# Altium PCB PDB.PcbDoc
Units mm, origin at the board's own origin, x right, y up, seen from the top; angles counter-clockwise.
Board outline 172.97 x 165.43 mm, 2 copper layers (Top Layer, Bottom Layer), stack 1.569 mm thick; 14 components, 6 nets, 35 pads, 180 vias.
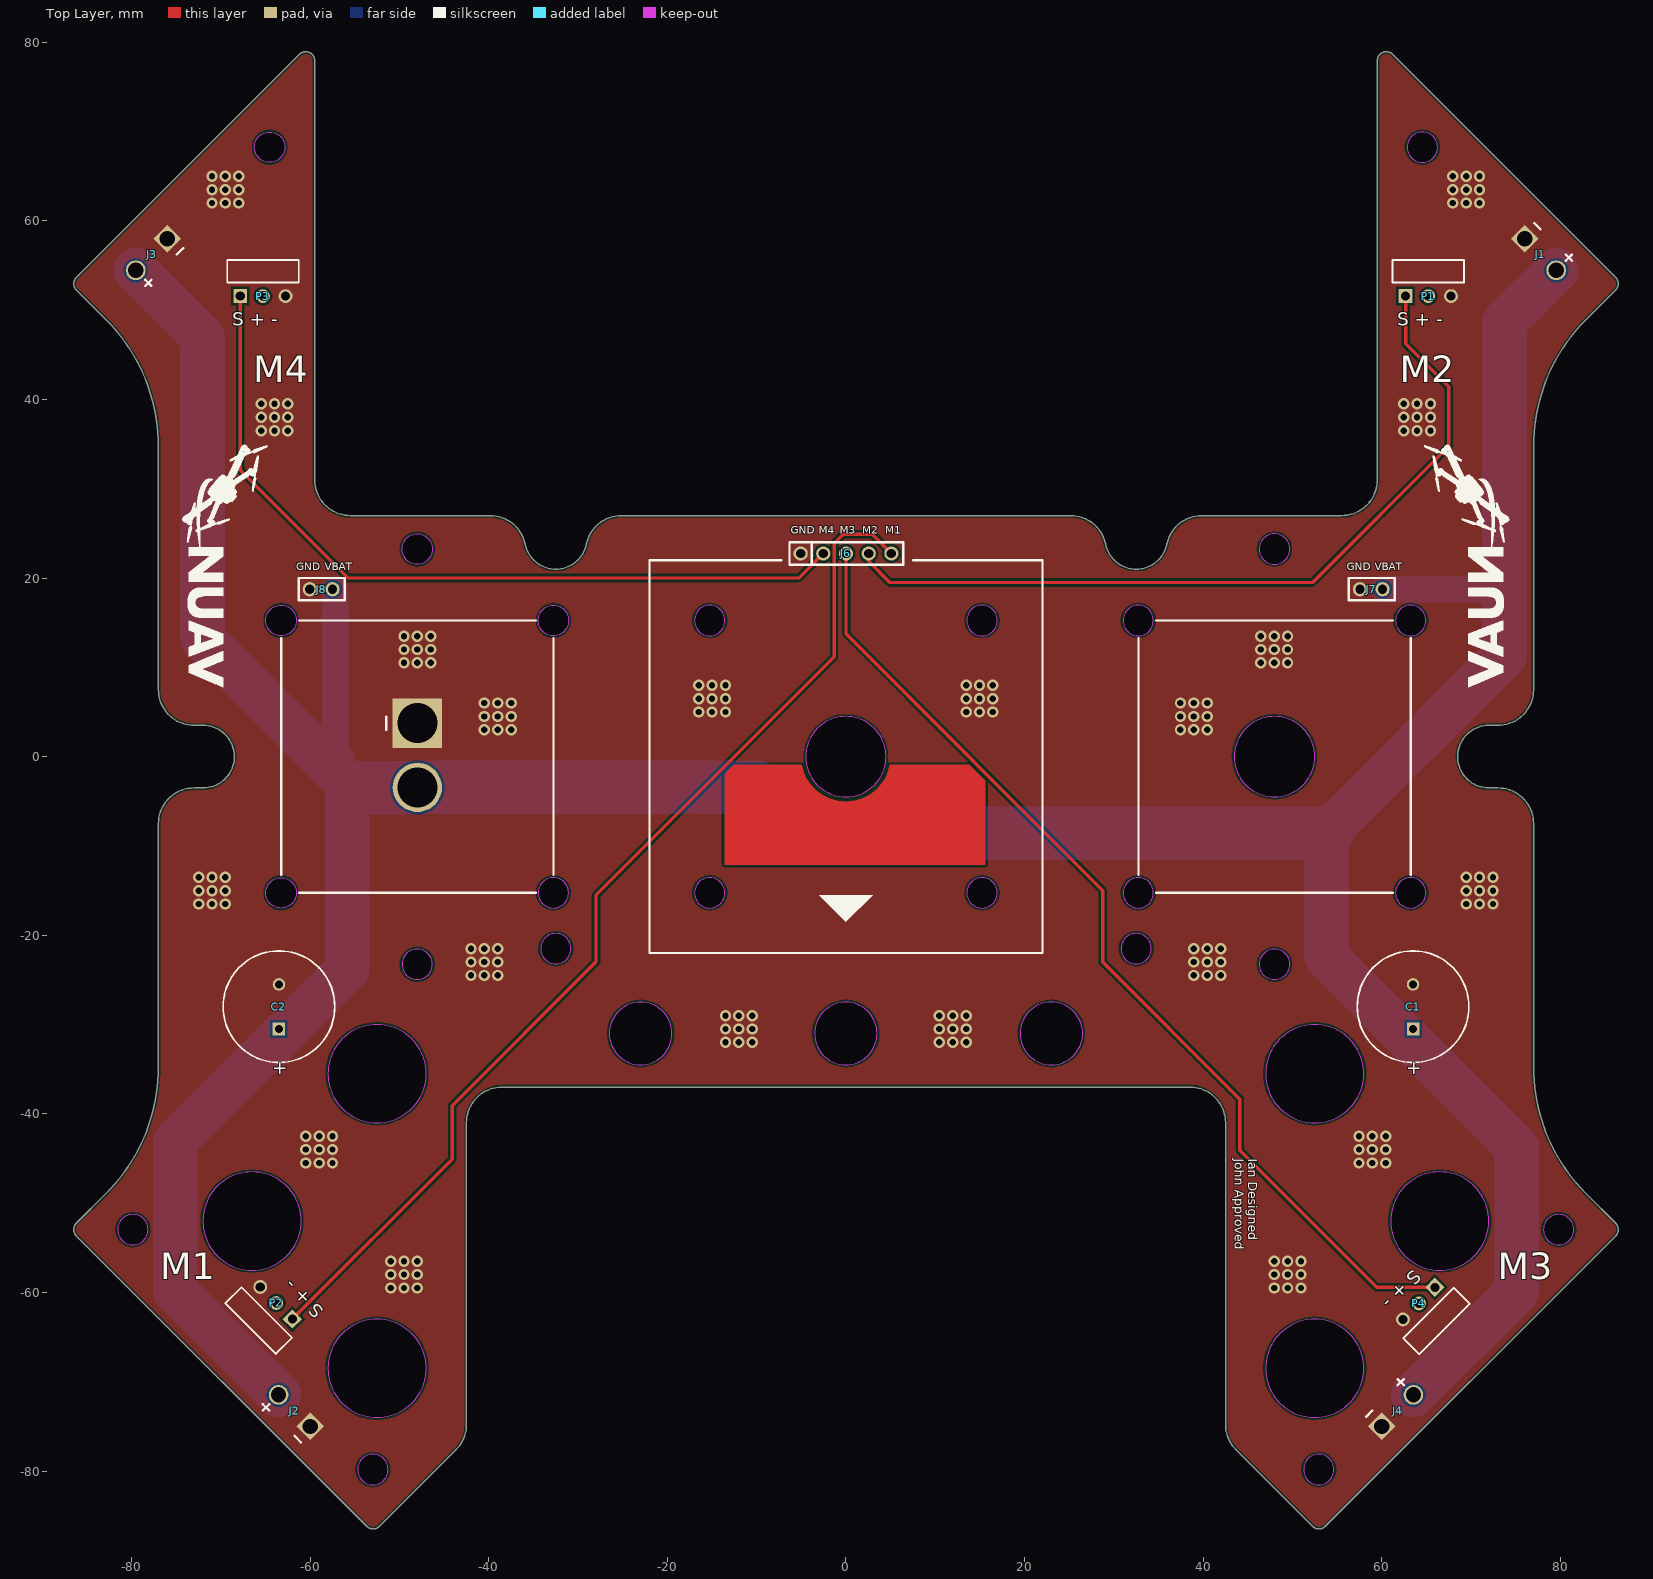
[diagram p0: Top Layer view]
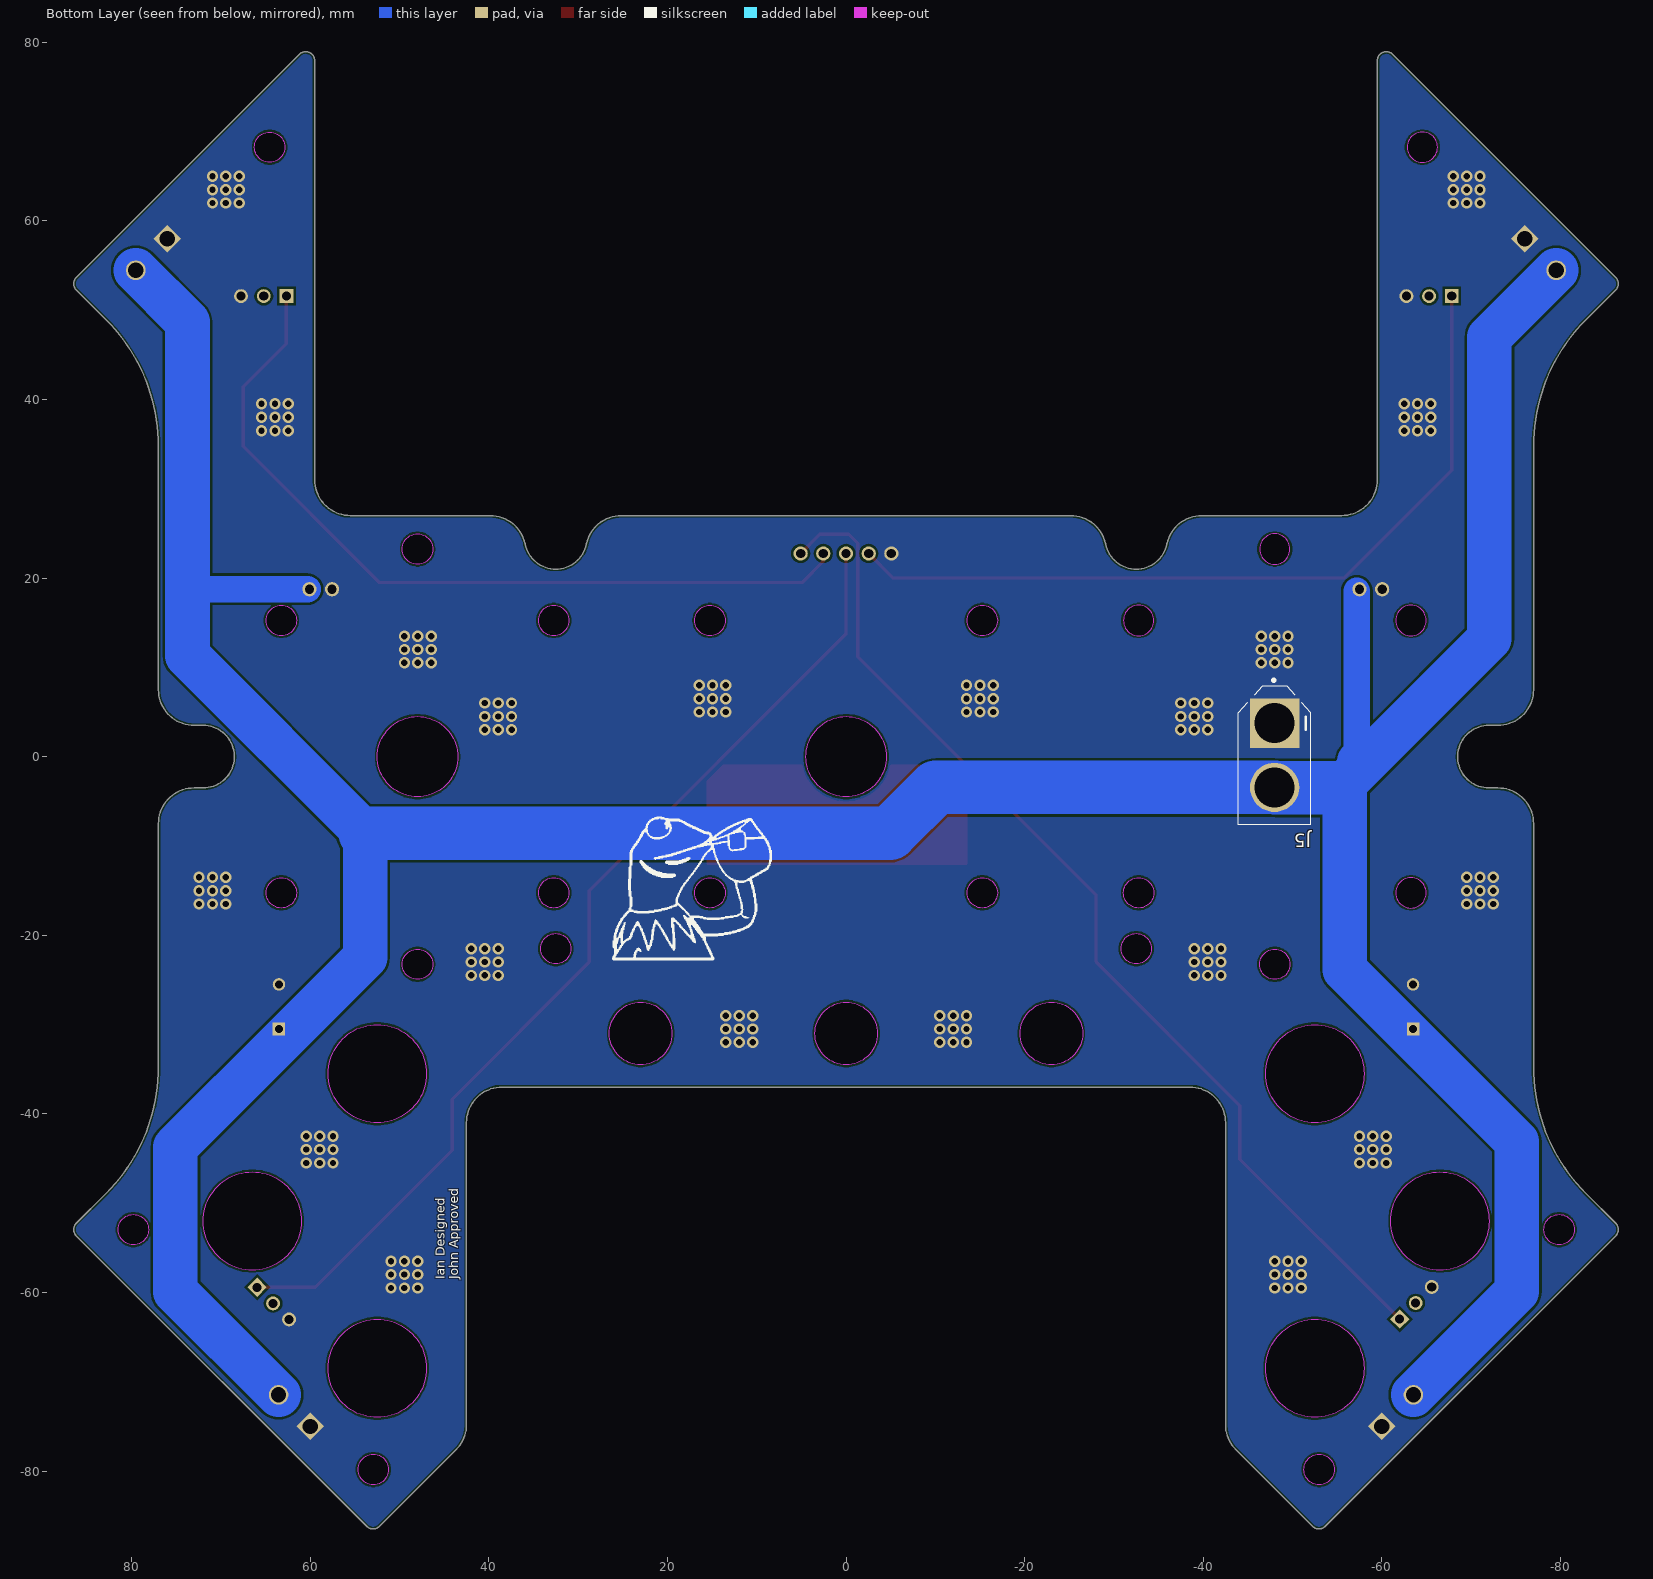
[diagram p1: Bottom Layer view, seen from below]
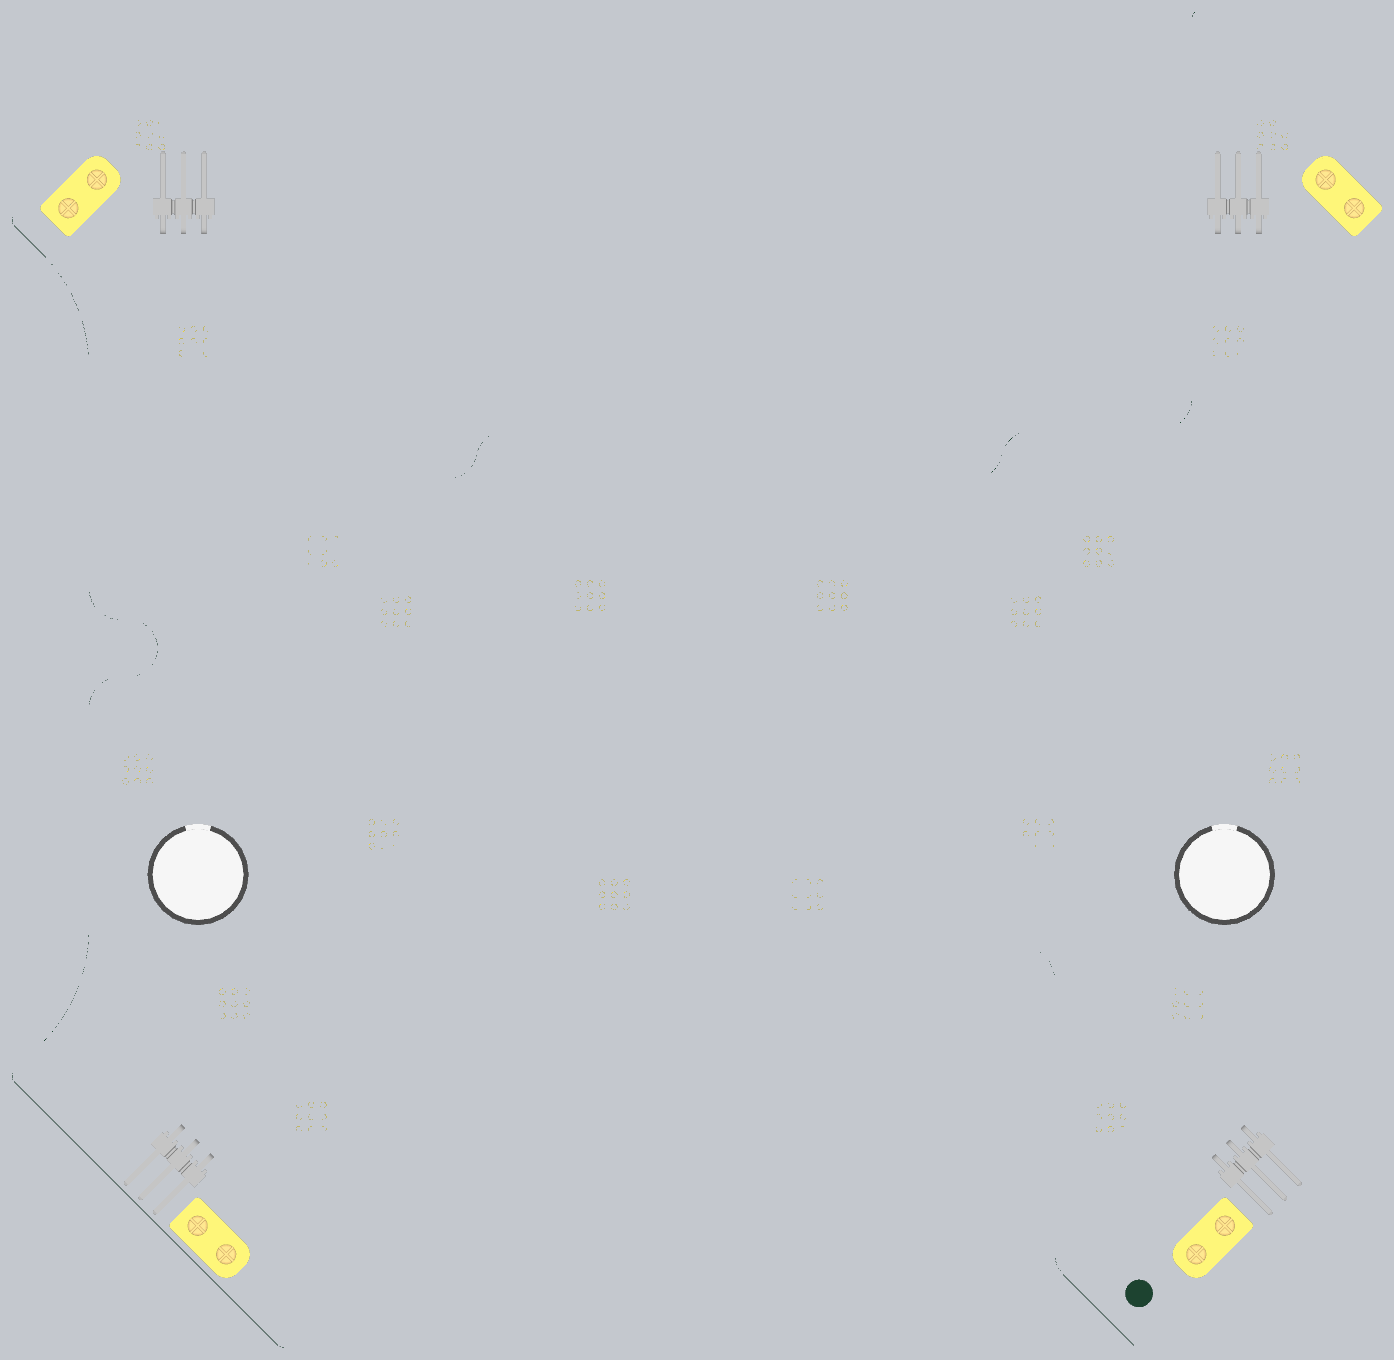
[diagram p2: 3D render of the assembled board from above, using the file's embedded part models]

## Layer stack, top to bottom
Top Solder: solder mask 0.0254, SM-001, Dk 4
Top Layer: signal copper 0.035
Dielectric 1: core 1.4986, Core-043, Dk 4.3
Bottom Layer: signal copper 0.035
Bottom Solder: solder mask 0.0254, SM-001, Dk 4

## Board outline
-86.192,-53.665 cw(c-85.485,-52.958) -86.192,-52.251 -82.858,-48.917 ccw(c-97,-34.775) -77,-34.775 -77,-7.5 cw(c-73,-7.5) -73,-3.5 -72,-3.5 ccw(c-72,0) -72,3.5 -73,3.5 cw(c-73,7.5) -77,7.5 -77,34.775 ccw(c-97,34.775) -82.858,48.917 -86.192,52.251 cw(c-85.485,52.958) -86.192,53.665 -61.207,78.651 cw(c-60.5,77.944) -59.5,77.944 -59.5,31 ccw(c-55.5,31) -55.5,27 -39.848,27 cw(c-39.848,23) -35.929,23.8 ccw(c-32.5,24.5) -29.071,23.8 cw(c-25.152,23) -25.152,27 25.152,27 cw(c25.152,23) 29.071,23.8 ccw(c32.5,24.5) 35.929,23.8 cw(c39.848,23) 39.848,27 55.5,27 ccw(c55.5,31) 59.5,31 59.5,77.944 cw(c60.5,77.944) 61.207,78.651 86.192,53.665 cw(c85.485,52.958) 86.192,52.251 82.858,48.917 ccw(c97,34.775) 77,34.775 77,7.5 cw(c73,7.5) 73,3.5 72,3.5 ccw(c72,0) 72,-3.5 73,-3.5 cw(c73,-7.5) 77,-7.5 77,-34.775 ccw(c97,-34.775) 82.858,-48.917 86.192,-52.251 cw(c85.485,-52.958) 86.192,-53.665 53.665,-86.192 cw(c52.958,-85.485) 52.251,-86.192 43.672,-77.613 cw(c46.5,-74.784) 42.5,-74.784 42.5,-41 ccw(c38.5,-41) 38.5,-37 -38.5,-37 ccw(c-38.5,-41) -42.5,-41 -42.5,-74.784 cw(c-46.5,-74.784) -43.672,-77.613 -52.251,-86.192 cw(c-52.958,-85.485) -53.665,-86.192
cut-out: 78.103,-52.961 ccw(c79.803,-52.961) 79.803,-54.661 ccw(c79.803,-52.961) 81.503,-52.961 ccw(c79.803,-52.961) 79.803,-51.261 ccw(c79.803,-52.961)
cut-out: -81.553,-52.961 ccw(c-79.853,-52.961) -79.853,-54.661 ccw(c-79.853,-52.961) -78.153,-52.961 ccw(c-79.853,-52.961) -79.853,-51.261 ccw(c-79.853,-52.961)
cut-out: 51.233,-79.831 ccw(c52.933,-79.831) 52.933,-81.531 ccw(c52.933,-79.831) 54.633,-79.831 ccw(c52.933,-79.831) 52.933,-78.131 ccw(c52.933,-79.831)
cut-out: -54.683,-79.831 ccw(c-52.983,-79.831) -52.983,-81.531 ccw(c-52.983,-79.831) -51.283,-79.831 ccw(c-52.983,-79.831) -52.983,-78.131 ccw(c-52.983,-79.831)
cut-out: 30.8,-21.5 ccw(c32.5,-21.5) 32.5,-23.2 ccw(c32.5,-21.5) 34.2,-21.5 ccw(c32.5,-21.5) 32.5,-19.8 ccw(c32.5,-21.5)
cut-out: 62.85,68.25 ccw(c64.55,68.25) 64.55,66.55 ccw(c64.55,68.25) 66.25,68.25 ccw(c64.55,68.25) 64.55,69.95 ccw(c64.55,68.25)
cut-out: -64.55,66.55 cw(c-64.55,68.25) -66.25,68.25 cw(c-64.55,68.25) -64.55,69.95 cw(c-64.55,68.25) -62.85,68.25 cw(c-64.55,68.25)
cut-out: 19.5,-31 ccw(c23,-31) 23,-34.5 ccw(c23,-31) 26.5,-31 ccw(c23,-31) 23,-27.5 ccw(c23,-31)
cut-out: -34.2,-21.5 ccw(c-32.5,-21.5) -32.5,-23.2 ccw(c-32.5,-21.5) -30.8,-21.5 ccw(c-32.5,-21.5) -32.5,-19.8 ccw(c-32.5,-21.5)
cut-out: -26.5,-31 ccw(c-23,-31) -23,-34.5 ccw(c-23,-31) -19.5,-31 ccw(c-23,-31) -23,-27.5 ccw(c-23,-31)
cut-out: 46.983,-68.503 ccw(c52.483,-68.503) 52.483,-74.003 ccw(c52.483,-68.503) 57.983,-68.503 ccw(c52.483,-68.503) 52.483,-63.003 ccw(c52.483,-68.503)
cut-out: 60.983,-52.003 ccw(c66.483,-52.003) 66.483,-57.503 ccw(c66.483,-52.003) 71.983,-52.003 ccw(c66.483,-52.003) 66.483,-46.503 ccw(c66.483,-52.003)
cut-out: 46.983,-35.503 ccw(c52.483,-35.503) 52.483,-41.003 ccw(c52.483,-35.503) 57.983,-35.503 ccw(c52.483,-35.503) 52.483,-30.003 ccw(c52.483,-35.503)
cut-out: 61.533,-15.253 ccw(c63.233,-15.253) 63.233,-16.953 ccw(c63.233,-15.253) 64.933,-15.253 ccw(c63.233,-15.253) 63.233,-13.553 ccw(c63.233,-15.253)
cut-out: 46.283,-23.253 ccw(c47.983,-23.253) 47.983,-24.953 ccw(c47.983,-23.253) 49.683,-23.253 ccw(c47.983,-23.253) 47.983,-21.553 ccw(c47.983,-23.253)
cut-out: 31.033,-15.253 ccw(c32.733,-15.253) 32.733,-16.953 ccw(c32.733,-15.253) 34.433,-15.253 ccw(c32.733,-15.253) 32.733,-13.553 ccw(c32.733,-15.253)
cut-out: 43.483,-0.003 ccw(c47.983,-0.003) 47.983,-4.503 ccw(c47.983,-0.003) 52.483,-0.003 ccw(c47.983,-0.003) 47.983,4.497 ccw(c47.983,-0.003)
cut-out: 61.533,15.247 ccw(c63.233,15.247) 63.233,13.547 ccw(c63.233,15.247) 64.933,15.247 ccw(c63.233,15.247) 63.233,16.947 ccw(c63.233,15.247)
cut-out: 46.283,23.247 ccw(c47.983,23.247) 47.983,21.547 ccw(c47.983,23.247) 49.683,23.247 ccw(c47.983,23.247) 47.983,24.947 ccw(c47.983,23.247)
cut-out: 31.033,15.247 ccw(c32.733,15.247) 32.733,13.547 ccw(c32.733,15.247) 34.433,15.247 ccw(c32.733,15.247) 32.733,16.947 ccw(c32.733,15.247)
cut-out: 13.533,15.247 ccw(c15.233,15.247) 15.233,13.547 ccw(c15.233,15.247) 16.933,15.247 ccw(c15.233,15.247) 15.233,16.947 ccw(c15.233,15.247)
cut-out: 13.533,-15.253 ccw(c15.233,-15.253) 15.233,-16.953 ccw(c15.233,-15.253) 16.933,-15.253 ccw(c15.233,-15.253) 15.233,-13.553 ccw(c15.233,-15.253)
cut-out: -3.517,-31.003 ccw(c-0.017,-31.003) -0.017,-34.503 ccw(c-0.017,-31.003) 3.483,-31.003 ccw(c-0.017,-31.003) -0.017,-27.503 ccw(c-0.017,-31.003)
cut-out: -4.517,-0.003 ccw(c-0.017,-0.003) -0.017,-4.503 ccw(c-0.017,-0.003) 4.483,-0.003 ccw(c-0.017,-0.003) -0.017,4.497 ccw(c-0.017,-0.003)
cut-out: -32.767,13.547 cw(c-32.767,15.247) -34.467,15.247 cw(c-32.767,15.247) -32.767,16.947 cw(c-32.767,15.247) -31.067,15.247 cw(c-32.767,15.247)
cut-out: -16.967,15.247 ccw(c-15.267,15.247) -15.267,13.547 ccw(c-15.267,15.247) -13.567,15.247 ccw(c-15.267,15.247) -15.267,16.947 ccw(c-15.267,15.247)
cut-out: -16.967,-15.253 ccw(c-15.267,-15.253) -15.267,-16.953 ccw(c-15.267,-15.253) -13.567,-15.253 ccw(c-15.267,-15.253) -15.267,-13.553 ccw(c-15.267,-15.253)
cut-out: -32.767,-16.953 ccw(c-32.767,-15.253) -31.067,-15.253 ccw(c-32.767,-15.253) -32.767,-13.553 ccw(c-32.767,-15.253) -34.467,-15.253 ccw(c-32.767,-15.253)
cut-out: -58.017,-68.503 ccw(c-52.517,-68.503) -52.517,-74.003 ccw(c-52.517,-68.503) -47.017,-68.503 ccw(c-52.517,-68.503) -52.517,-63.003 ccw(c-52.517,-68.503)
cut-out: -72.017,-52.003 ccw(c-66.517,-52.003) -66.517,-57.503 ccw(c-66.517,-52.003) -61.017,-52.003 ccw(c-66.517,-52.003) -66.517,-46.503 ccw(c-66.517,-52.003)
cut-out: -58.017,-35.503 ccw(c-52.517,-35.503) -52.517,-41.003 ccw(c-52.517,-35.503) -47.017,-35.503 ccw(c-52.517,-35.503) -52.517,-30.003 ccw(c-52.517,-35.503)
cut-out: -49.717,-23.253 ccw(c-48.017,-23.253) -48.017,-24.953 ccw(c-48.017,-23.253) -46.317,-23.253 ccw(c-48.017,-23.253) -48.017,-21.553 ccw(c-48.017,-23.253)
cut-out: -63.267,-16.953 cw(c-63.267,-15.253) -64.967,-15.253 cw(c-63.267,-15.253) -63.267,-13.553 cw(c-63.267,-15.253) -61.567,-15.253 cw(c-63.267,-15.253)
cut-out: -63.267,13.547 cw(c-63.267,15.247) -64.967,15.247 cw(c-63.267,15.247) -63.267,16.947 cw(c-63.267,15.247) -61.567,15.247 cw(c-63.267,15.247)
cut-out: -48.017,21.547 cw(c-48.017,23.247) -49.717,23.247 cw(c-48.017,23.247) -48.017,24.947 cw(c-48.017,23.247) -46.317,23.247 cw(c-48.017,23.247)

## Design rules (kind name [scope] priority, off if disabled: settings)
BoardOutlineClearance [All] p1: gap=0.254 ignorepadtopadclearanceinfootprint=FALSE
Clearance [All] p1: gap=0.254 ignorepadtopadclearanceinfootprint=FALSE except(0: Arc-Hole Track-Hole SMDPad-Hole THPad-Hole Via-Hole Fill-Hole Poly-Hole Region-Hole Text-Hole)
PlaneConnect [All] p1: planeconnectstyle=Direct reliefexpansion=0.508 reliefentries=4 reliefconductorwidth=0.254 reliefairgap=0.254
PolygonConnect [All] p1: connectstyle=Direct reliefconductorwidth=0.254 reliefentries=4 polygonreliefangle="90 Angle" airgapwidth=0.254
RoutingVias [All] p1: holewidth=0.711 width=1.27 viastyle="Through Hole" minholewidth=0.711 minwidth=1.27 maxholewidth=0.711 maxwidth=1.27
SolderMaskExpansion [All] p1: expansion=0.102 istentingtop=FALSE
Width [All] p1: maxlimit=6 minlimit=0.254 preferedwidth=0.254 minimp=50.000000 maximp=50.000000 favimp=50.000000
29 further rules are at their usual default settings.

## Components (designator, comment, footprint, x,y, rotation, side; value= is the part's Value field where it differs from the comment)
C1 "ECA-1JHG471" CAPPR65-500-2000X1250X2200 63.5,-28 r90 top
C2 "ECA-1JHG471" CAPPR65-500-2000X1250X2200 -63.5,-28 r90 top
J1 "XT30PB-M" XT30PB-M 76,58 r315 top locked
J2 "XT30PB-M" XT30PB-M -60,-75 r135 top locked
J3 "XT30PB-M" XT30PB-M -76,58 r225 top locked
J4 "XT30PB-M" XT30PB-M 60,-75 r45 top locked
J5 "xt60-M" xt60-m -48,3.75 r270 bottom locked
J6 "motor to pixhawk conn" "motor to pixhawk headers" -5.08,22.75 r0 top
J7 "power header" "power header" 57.55,18.75 r0 top locked
J8 "power header" "power header" -60.04,18.75 r0 top locked
P1 "TSW-103-08-T-S-RA" SMTC-TSW-103-08-X-S-RA 62.665,51.569 r0 top locked
P2 "TSW-103-08-T-S-RA" SMTC-TSW-103-08-X-S-RA -62,-62.977 r135 top locked
P3 "TSW-103-08-T-S-RA" SMTC-TSW-103-08-X-S-RA -67.835,51.569 r0 top locked
P4 "TSW-103-08-T-S-RA" SMTC-TSW-103-08-X-S-RA 65.955,-59.431 r225 top locked

## Footprints (in the part's own frame and the unit in brackets; to place one, negate y for a bottom-side part, rotate by r counter-clockwise, add the part's x,y. Pads: shape width x height; smd on the part's side, far side on the other; paste and mask are expansions set on the pad)
CAPPR65-500-2000X1250X2200 [mm] "THD, 2-Leads, Dia 12.5mm, Body Length 20mm"
  rect 1.4x1.4 hole 0.9: 1(-2.5,0)
  round 1.4 hole 0.9: 2(2.5,0)
  silkscreen extent -6.25,-6.25 6.25,6.25, body extent -6.25,-6.25 6.26,6.25, height 22.01
"motor to pixhawk headers" [mm]
  round 1.6 hole 1.04: 0(0,0) 1(2.54,0) 2(5.08,0) 3(7.62,0) 4(10.16,0)
  silkscreen extent -1.25,-1.25 11.5,1.25
"power header" [mm]
  round 1.6 hole 1.04: 0(0,0) 1(2.54,0)
  silkscreen extent -1.25,-1.25 3.9,1.25
SMTC-TSW-103-08-X-S-RA [mm] ".025 SQ Post Terminal Strip Assembly, 1x3 Pins, Right Angle, 2.54mm Pitch, Male"
  rect 1.55x1.55 hole 1.02: 1(0,0)
  round 1.55 hole 1.02: 2(2.54,0) 3(5.08,0)
  silkscreen extent -1.46,1.52 6.54,4.06, body extent -1.27,-0.32 6.35,9.9, height 3.05
XT30PB-M [mm]
  rect 2.2x2.2 hole 1.7: 0(0,0)
  round 2.2 hole 1.7: 1(5,0)
  silkscreen extent -0.5,1.5 5.5,2.5, body extent -2.58,-2.6 7.62,2.6, height 9.4
xt60-m [mm]
  rect 5.516x5.516 hole 4.5: 1(0,0)
  round 5.516 hole 4.5: 2(7.2,0)
  silkscreen extent -4.95,-4.05 11.35,4.05, body extent -4.38,-4.05 11.62,3.95, height 16.2

## Part data
C1 C2: library part CMP-1665-00014-4, "Aluminum Electrolytic Capacitor (Radial Lead Type), 470 uF, 63 V, -55 to 105 degC, 2-Pin THD, RoHS, Bulk", Manufacturer=Panasonic, Max Operating Temperature="105 degC", Min Operating Temperature="-55 degC", Package Quantity=200, Voltage Rating="63 V", ComponentLink1Description="Manufacturer URL", ComponentLink1URL=http://www.panasonic.com/, ComponentLink2Description=Datasheet, ComponentLink2URL=http://industrial.panasonic.com/cdbs/www-data/pdf/RDF0000/ABA0000C1038.pdf, DatasheetVersion=03/2016, Height="20 mm", Lead Pitch="5 mm", Length="20 mm", Mount="Through Hole", Mounting Technology="Through Hole", PackageDescription="2-Pin Through Hole Device, Dia 12.5 mm, Body Length 20 mm", PackageReference=Radial, Packaging=Bulk, Pins=2, REACH SVHC="No SVHC", RoHSCompliant=true
P1 P2 P3 P4: library part CMP-1024-00346-1, "0.025\" SQ Post Header, Through-hole, Right Angle, -55 to 105 degC, 2.54 mm Pitch, 3-Pin, Male, RoHS", Manufacturer=Samtec, Temperature Range="-55 to 105 degC", ComponentLink1Description="Manufacturer URL", ComponentLink1URL=http://www.samtec.com, ComponentLink2Description=Datasheet, ComponentLink2URL=http://www.samtec.com/documents/webfiles/pdf/TSW_TH.PDF, ComponentLink3Description="Package Specification", ComponentLink3URL=http://www.samtec.com/documents/webfiles/cpdf/TSW-XXX-XX-XXX-X-XX-XXX-MKT.pdf, DatasheetVersion=F-214, Mounting Technology=Through-hole, Orientation="Right Angle", PackageDescription=".025[0.64] SQ. Post Terminal Strip Assembly", PackageReference=TSW-103-08-X-S-RA, PackageVersion="DM, 8/1988", PartNumber=TSW-103-08-T-S-RA, Pitch="2.54 mm", RoHS=True
J1 J2 J3 J4: ComponentLink1Description=Supplier, ComponentLink1URL=http://shop.smc-powers.com/XT30UPB-M.html?manufacturer_id=13&page=4

## Via types
v1: diameter 1.27, hole 0.711, Top Layer to Bottom Layer, tented both sides, 180 vias

## Nets (pads, with @x,y where several pads share a name; then routed paths per layer and width w, separated by ;. In a path a pad name is that pad's centre, name@x,y a point inside that pad or via, vN(x,y) a via of type N, cw(c..) or ccw(c..) an arc to the next point about the centre after c; other vN are vias at no path point)
GND: C1.2 C2.2 J1.0 J2.0 J3.0 J4.0 J5.1 J6.0 J7.0 J8.0 P1.3 P2.3 P3.3 P4.3
  other v1: -51,-59.5 -49.5,-59.5 -48,-59.5 47.95,-59.5 49.45,-59.5 50.95,-59.5 -51,-58 -49.5,-58 -48,-58 47.95,-58 49.45,-58 50.95,-58 -51,-56.5 -49.5,-56.5 -48,-56.5 47.95,-56.5 49.45,-56.5 50.95,-56.5 -60.5,-45.5 -59,-45.5 -57.5,-45.5 57.45,-45.5 58.95,-45.5 60.45,-45.5 -60.5,-44 -59,-44 -57.5,-44 57.45,-44 58.95,-44 60.45,-44 -60.5,-42.5 -59,-42.5 -57.5,-42.5 57.45,-42.5 58.95,-42.5 60.45,-42.5 -13.5,-32 -12,-32 -10.5,-32 10.45,-32 11.95,-32 13.45,-32 -13.5,-30.5 -12,-30.5 -10.5,-30.5 10.45,-30.5 11.95,-30.5 13.45,-30.5 -13.5,-29 -12,-29 -10.5,-29 10.45,-29 11.95,-29 13.45,-29 -42,-24.5 -40.5,-24.5 -39,-24.5 38.95,-24.5 40.45,-24.5 41.95,-24.5 -42,-23 -40.5,-23 -39,-23 38.95,-23 40.45,-23 41.95,-23 -42,-21.5 -40.5,-21.5 -39,-21.5 38.95,-21.5 40.45,-21.5 41.95,-21.5 -72.5,-16.5 -71,-16.5 -69.5,-16.5 69.45,-16.5 70.95,-16.5 72.45,-16.5 -72.5,-15 -71,-15 -69.5,-15 69.45,-15 70.95,-15 72.45,-15 -72.5,-13.5 -71,-13.5 -69.5,-13.5 69.45,-13.5 70.95,-13.5 72.45,-13.5 -40.5,3 -39,3 -37.5,3 37.45,3 38.95,3 40.45,3 -40.5,4.5 -39,4.5 -37.5,4.5 37.45,4.5 38.95,4.5 40.45,4.5 -16.5,5 -15,5 -13.5,5 13.45,5 14.95,5 16.45,5 -40.5,6 -39,6 -37.5,6 37.45,6 38.95,6 40.45,6 -16.5,6.5 -15,6.5 -13.5,6.5 13.45,6.5 14.95,6.5 16.45,6.5 -16.5,8 -15,8 -13.5,8 13.45,8 14.95,8 16.45,8 -49.5,10.5 -48,10.5 -46.5,10.5 46.45,10.5 47.95,10.5 49.45,10.5 -49.5,12 -48,12 -46.5,12 46.45,12 47.95,12 49.45,12 -49.5,13.5 -48,13.5 -46.5,13.5 46.45,13.5 47.95,13.5 49.45,13.5 -65.5,36.5 -64,36.5 -62.5,36.5 62.45,36.5 63.95,36.5 65.45,36.5 -65.5,38 -64,38 -62.5,38 62.45,38 63.95,38 65.45,38 -65.5,39.5 -64,39.5 -62.5,39.5 62.45,39.5 63.95,39.5 65.45,39.5 -71,62 -69.5,62 -68,62 67.95,62 69.45,62 70.95,62 -71,63.5 -69.5,63.5 -68,63.5 67.95,63.5 69.45,63.5 70.95,63.5 -71,65 -69.5,65 -68,65 67.95,65 69.45,65 70.95,65
NetJ6_1: J6.1 P3.1 | length 90.9
  Top Layer w0.381: P3.1 -67.835,32.085 -55.75,20 -5.29,20 J6.1
NetJ6_2: J6.2 P4.1 | length 113.3
  Top Layer w0.381: J6.2 0,13.75 28.75,-15 28.75,-23 44.1,-38.35 44.1,-44.1 59.431,-59.431 P4.1
NetJ6_3: J6.3 P1.1 | length 92
  Top Layer w0.381: J6.3 2.54,21.86 4.9,19.5 52.25,19.5 67.5,34.75 67.5,41.4 62.665,46.235 P1.1
NetJ6_4: J6.4 P2.1 | length 119.7
  Top Layer w0.381: P2.1 -44.1,-45.077 -44.1,-39.1 -28,-23 -28,-15.523 -1.295,11.182 -1.295,23.905 -0.3,24.9 2.93,24.9 J6.4
VCC: C1.1 C2.1 J1.1 J2.1 J3.1 J4.1 J5.2 J7.1 J8.1 | length 445
  Bottom Layer w3: -57.2,-1.636 J8.1@-57.2,18.562 ; J7.1@60.29,18.75 73.75,18.75
  Bottom Layer w5: J3.1 -72.05,46.979 -72.05,13.214 -58.268,-0.568 ; J2.1 -75.125,-59.875 -75.125,-43.125 -55.868,-23.868 -55.868,-3.5 ; -57.5,-0.568 -58.268,-0.568 ; -55.336,-3.5 -55.868,-3.5 ; J5.2@-48.05,-3.5 J5.2 ; J4.1 75.1,-59.9 75.1,-43.725 62.688,-31.312 53.85,-22.475 53.85,-8.575 73.75,11.325 73.75,18.75 73.75,48.679 J1.1 ; -58.268,-0.568 -55.868,-2.969 -55.868,-3.5
  Bottom Layer w6: -55.336,-3.5 J5.2@-48.05,-3.5 ; J5.2 -10.05,-3.45 -4.925,-8.575 53.85,-8.575
pads on no net: P1.2 P2.2 P3.2 P4.2
copper on no net: | length 82.4
  Top Layer w0.254: -5.048,-1.01 ccw(c-0.025,-0.003) 5,-1 13.75,-1 15.5,-2.75 15.5,-12 -13.5,-12 -13.5,-2 -12.5,-1 -5.048,-1

## Polygon pours and split planes (outlines as drawn)
GND on Top Layer "GND_L01_P000" (solid, pour order 0): -86.192,-53.665 cw(c-85.485,-52.958) -86.192,-52.251 -82.858,-48.917 ccw(c-97,-34.775) -77,-34.775 -77,-7.5 cw(c-73,-7.5) -73,-3.5 -72,-3.5 ccw(c-72,0) -72,3.5 -73,3.5 cw(c-73,7.5) -77,7.5 -77,34.775 ccw(c-97,34.775) -82.858,48.917 -86.192,52.251 cw(c-85.485,52.958) -86.192,53.665 -61.207,78.651 cw(c-60.5,77.944) -59.5,77.944 -59.5,31 ccw(c-55.5,31) -55.5,27 -39.848,27 cw(c-39.848,23) -35.929,23.8 ccw(c-32.5,24.5) -29.071,23.8 cw(c-25.152,23) -25.152,27 25.152,27 cw(c25.152,23) 29.071,23.8 ccw(c32.5,24.5) 35.929,23.8 cw(c39.848,23) 39.848,27 55.5,27 ccw(c55.5,31) 59.5,31 59.5,77.944 cw(c60.5,77.944) 61.207,78.651 86.192,53.665 cw(c85.485,52.958) 86.192,52.251 82.858,48.917 ccw(c97,34.775) 77,34.775 77,7.5 cw(c73,7.5) 73,3.5 72,3.5 ccw(c72,0) 72,-3.5 73,-3.5 cw(c73,-7.5) 77,-7.5 77,-34.775 ccw(c97,-34.775) 82.858,-48.917 86.192,-52.251 cw(c85.485,-52.958) 86.192,-53.665 53.665,-86.192 cw(c52.958,-85.485) 52.251,-86.192 43.672,-77.613 cw(c46.5,-74.784) 42.5,-74.784 42.5,-41 ccw(c38.5,-41) 38.5,-37 -38.5,-37 ccw(c-38.5,-41) -42.5,-41 -42.5,-74.784 cw(c-46.5,-74.784) -43.672,-77.613 -52.251,-86.192 cw(c-52.958,-85.485) -53.665,-86.192
GND on Bottom Layer "GND_L02_P001" (solid, pour order 1): -86.192,-53.665 cw(c-85.485,-52.958) -86.192,-52.251 -82.858,-48.917 ccw(c-97,-34.775) -77,-34.775 -77,-7.5 cw(c-73,-7.5) -73,-3.5 -72,-3.5 ccw(c-72,0) -72,3.5 -73,3.5 cw(c-73,7.5) -77,7.5 -77,34.775 ccw(c-97,34.775) -82.858,48.917 -86.192,52.251 cw(c-85.485,52.958) -86.192,53.665 -61.207,78.651 cw(c-60.5,77.944) -59.5,77.944 -59.5,31 ccw(c-55.5,31) -55.5,27 -39.848,27 cw(c-39.848,23) -35.929,23.8 ccw(c-32.5,24.5) -29.071,23.8 cw(c-25.152,23) -25.152,27 25.152,27 cw(c25.152,23) 29.071,23.8 ccw(c32.5,24.5) 35.929,23.8 cw(c39.848,23) 39.848,27 55.5,27 ccw(c55.5,31) 59.5,31 59.5,77.944 cw(c60.5,77.944) 61.207,78.651 86.192,53.665 cw(c85.485,52.958) 86.192,52.251 82.858,48.917 ccw(c97,34.775) 77,34.775 77,7.5 cw(c73,7.5) 73,3.5 72,3.5 ccw(c72,0) 72,-3.5 73,-3.5 cw(c73,-7.5) 77,-7.5 77,-34.775 ccw(c97,-34.775) 82.858,-48.917 86.192,-52.251 cw(c85.485,-52.958) 86.192,-53.665 53.665,-86.192 cw(c52.958,-85.485) 52.251,-86.192 43.672,-77.613 cw(c46.5,-74.784) 42.5,-74.784 42.5,-41 ccw(c38.5,-41) 38.5,-37 -38.5,-37 ccw(c-38.5,-41) -42.5,-41 -42.5,-74.784 cw(c-46.5,-74.784) -43.672,-77.613 -52.251,-86.192 cw(c-52.958,-85.485) -53.665,-86.192

## Other copper
Top Layer:
  region: -13.5,-12 -13.5,-2 -12.5,-1 -5.048,-1 -5.048,-1.01 ccw(c-0.025,-0.003) 5,-1 13.75,-1 15.5,-2.75 15.5,-12

## Silkscreen, mask and mechanical layers (free items; w line width, h text height)
Top Overlay:
  drawing of 22 lines, arcs and shapes, not listed
  text "S + -" at -68.746,48.254 h1.52
  text "S + -" at 61.754,48.254 h1.52
  text "M4" at -66.375,41.925 h3
  text "M2" at 62.025,41.925 h3
  text "Ian Designed / John Approved" at 43.531,-45.009 h1.02 r270
  text "S + -" at 63.5,-57.359 h1.52 r225
  text "M1" at -76.775,-58.525 h3
  text "M3" at 72.975,-58.525 h3
  text "S + -" at -58.359,-62 h1.52 r135
Bottom Overlay:
  drawing of 3 lines, arcs and shapes, not listed
  text "Ian Designed / John Approved" at 43.4,-58.5 h1.02 r270
Top Solder:
  drawing of 4 lines, arcs and shapes, not listed
Board Outline:
  circle w0.013: c-52.525,-35.503 r5.5
  circle w0.013: c-66.525,-52.003 r5.5
  circle w0.013: c-52.525,-68.503 r5.5
  circle w0.013: c52.475,-35.503 r5.5
  circle w0.013: c66.475,-52.003 r5.5
  circle w0.013: c52.475,-68.503 r5.5
  circle w0.013: c-0.025,-31.003 r3.5
  circle w0.013: c22.975,-31.003 r3.5
  circle w0.013: c-23.025,-31.003 r3.5
  circle w0.013: c-0.025,-0.003 r4.5
  circle w0.013: c47.975,-0.003 r4.5
  circle w0.013: c-48.025,23.247 r1.7
  circle w0.013: c47.975,23.247 r1.7
  circle w0.013: c47.975,-23.253 r1.7
  circle w0.013: c-48.025,-23.253 r1.7
  circle w0.013: c-63.275,15.247 r1.7
  circle w0.013: c-32.775,15.247 r1.7
  circle w0.013: c-32.775,-15.253 r1.7
  circle w0.013: c-63.275,-15.253 r1.7
  circle w0.013: c-15.275,-15.253 r1.7
  circle w0.013: c-15.275,15.247 r1.7
  circle w0.013: c15.225,15.247 r1.7
  circle w0.013: c15.225,-15.253 r1.7
  circle w0.013: c32.725,-15.253 r1.7
  circle w0.013: c63.225,-15.253 r1.7
  circle w0.013: c63.225,15.247 r1.7
  circle w0.013: c32.725,15.247 r1.7
  circle w0.013: c-64.575,68.247 r1.7
  circle w0.013: c64.525,68.247 r1.7
  circle w0.013: c79.803,-52.961 r1.7
  circle w0.013: c52.933,-79.831 r1.7
  circle w0.013: c-79.853,-52.961 r1.7
  circle w0.013: c-52.983,-79.831 r1.7
  circle w0.013: c32.475,-21.503 r1.7
  circle w0.013: c-32.525,-21.503 r1.7
  lines w0.013: -86.217,-53.668 cw(c-85.51,-52.961) -86.217,-52.254 -82.883,-48.919 ccw(c-97.025,-34.777) -77.025,-34.777 -77.025,-7.503 cw(c-73.025,-7.503) -73.025,-3.503 -72.025,-3.503 ccw(c-72.025,-0.003) -72.025,3.497 -73.025,3.497 cw(c-73.025,7.497) -77.025,7.497 -77.025,34.772 ccw(c-97.025,34.772) -82.883,48.914 -86.217,52.249 cw(c-85.51,52.956) -86.217,53.663 -61.232,78.648 cw(c-60.525,77.941) -59.525,77.941 -59.525,30.997 ccw(c-55.525,30.997) -55.525,26.997 -39.873,26.997 cw(c-39.873,22.997) -35.954,23.797 ccw(c-32.525,24.497) -29.096,23.797 cw(c-25.176,22.997) -25.176,26.997 25.127,26.997 cw(c25.127,22.997) 29.046,23.797 ccw(c32.475,24.497) 35.904,23.797 cw(c39.824,22.997) 39.824,26.997 55.475,26.997 ccw(c55.475,30.997) 59.475,30.997 59.475,77.941 cw(c60.475,77.941) 61.182,78.648 86.167,53.663 cw(c85.46,52.956) 86.167,52.249 82.833,48.914 ccw(c96.975,34.772) 76.975,34.772 76.975,7.497 cw(c72.975,7.497) 72.975,3.497 71.975,3.497 ccw(c71.975,-0.003) 71.975,-3.503 72.975,-3.503 cw(c72.975,-7.503) 76.975,-7.503 76.975,-34.777 ccw(c96.975,-34.777) 82.833,-48.919 86.167,-52.254 cw(c85.46,-52.961) 86.167,-53.668 53.641,-86.195 cw(c52.933,-85.488) 52.226,-86.195 43.647,-77.615 cw(c46.475,-74.787) 42.475,-74.787 42.475,-41.003 ccw(c38.475,-41.003) 38.475,-37.003 -38.525,-37.003 ccw(c-38.525,-41.003) -42.525,-41.003 -42.525,-74.787 cw(c-46.525,-74.787) -43.697,-77.615 -52.276,-86.195 cw(c-52.983,-85.488) -53.69,-86.195 -86.217,-53.668

## Text inside footprints (layer, text, board x,y; h text height)
C1: Top Overlay "+" at 64.25,-35.8 h1.5 r90
C2: Top Overlay "+" at -62.75,-35.8 h1.5 r90
J6: Top Overlay "M2" at 1.823,24.953 h0.84; Top Overlay "M3" at -0.677,24.953 h0.84; Top Overlay "M4" at -3.077,24.953 h0.84; Top Overlay "GND" at -6.177,24.953 h0.84; Top Overlay "M1" at 4.423,24.953 h0.84
J7: Top Overlay "VBAT" at 59.203,20.853 h0.84; Top Overlay "GND" at 56.053,20.853 h0.84
J8: Top Overlay "VBAT" at -58.387,20.853 h0.84; Top Overlay "GND" at -61.537,20.853 h0.84